# Altium PCB PCB.PcbDoc
Units mil, origin at the board's own origin, x right, y up, seen from the top; angles counter-clockwise.
Board outline 6023.62 x 4251.97 mil, 2 copper layers (Top Layer, Bottom Layer); 73 components, 40 nets, 209 pads, 129 vias.
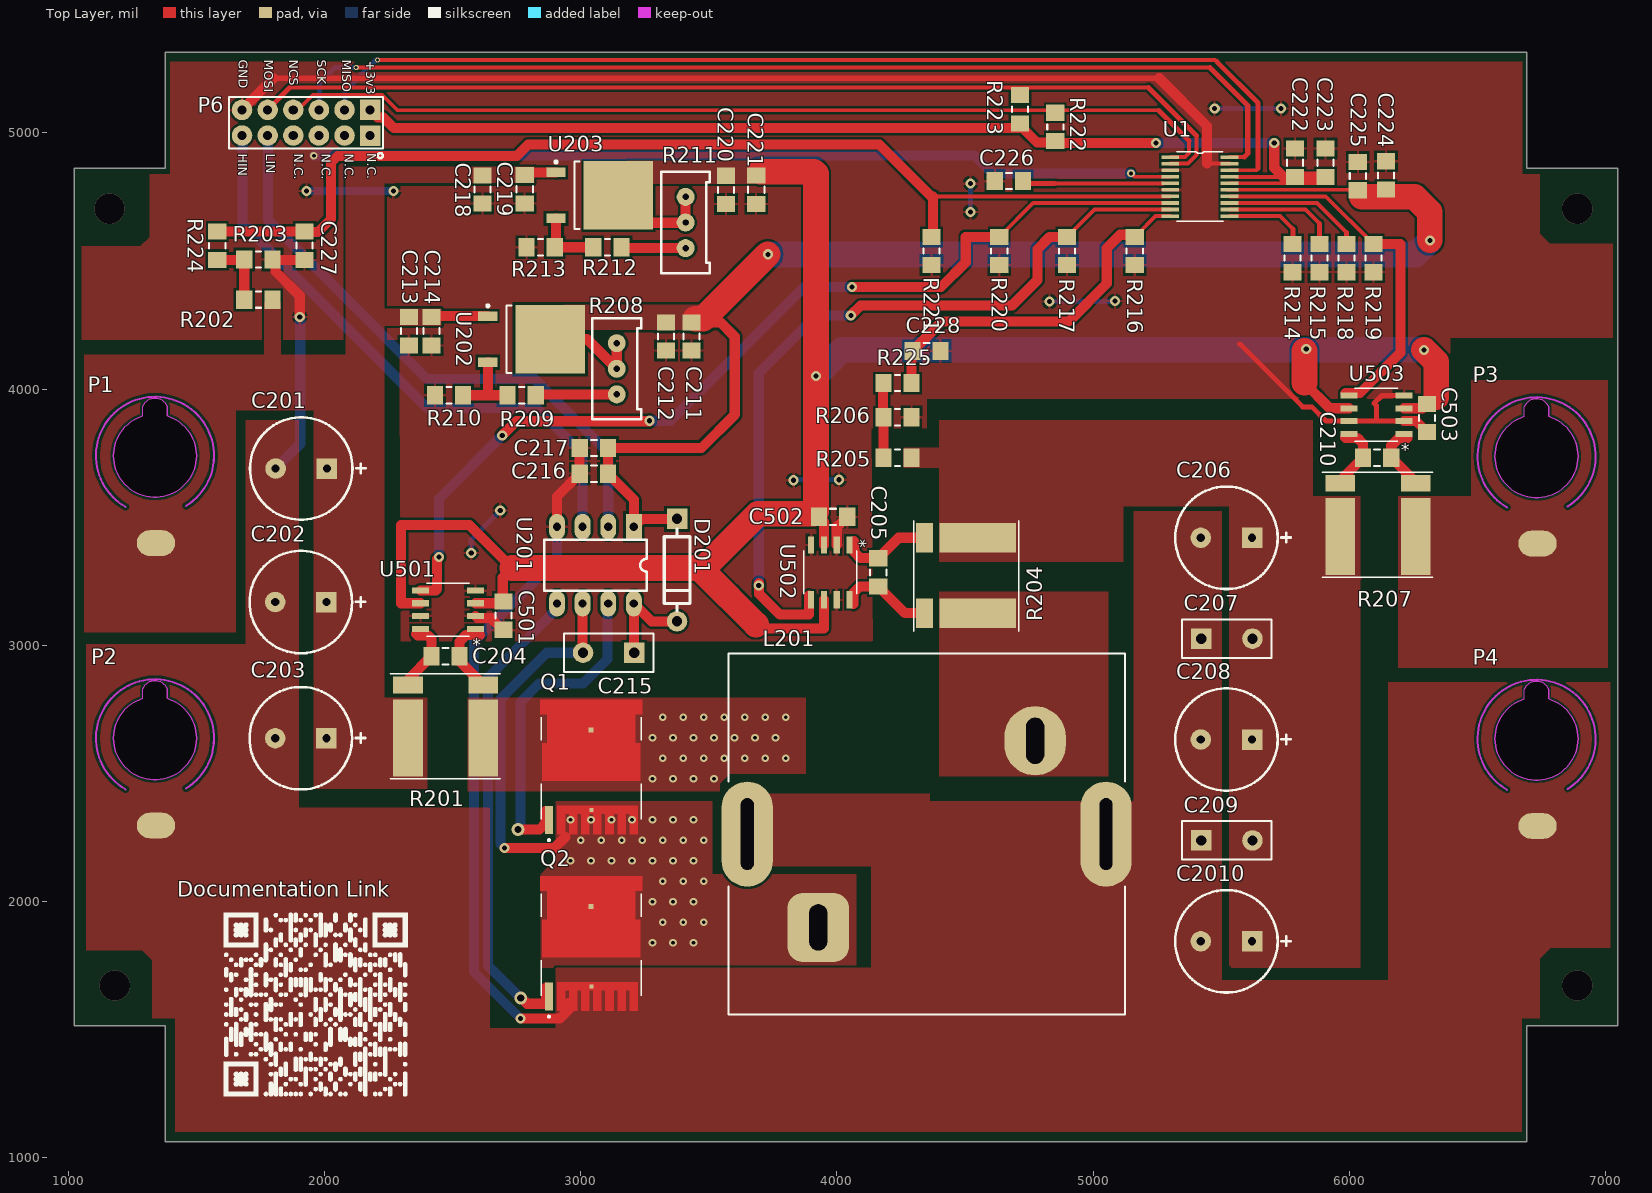
[diagram p0: Top Layer view]
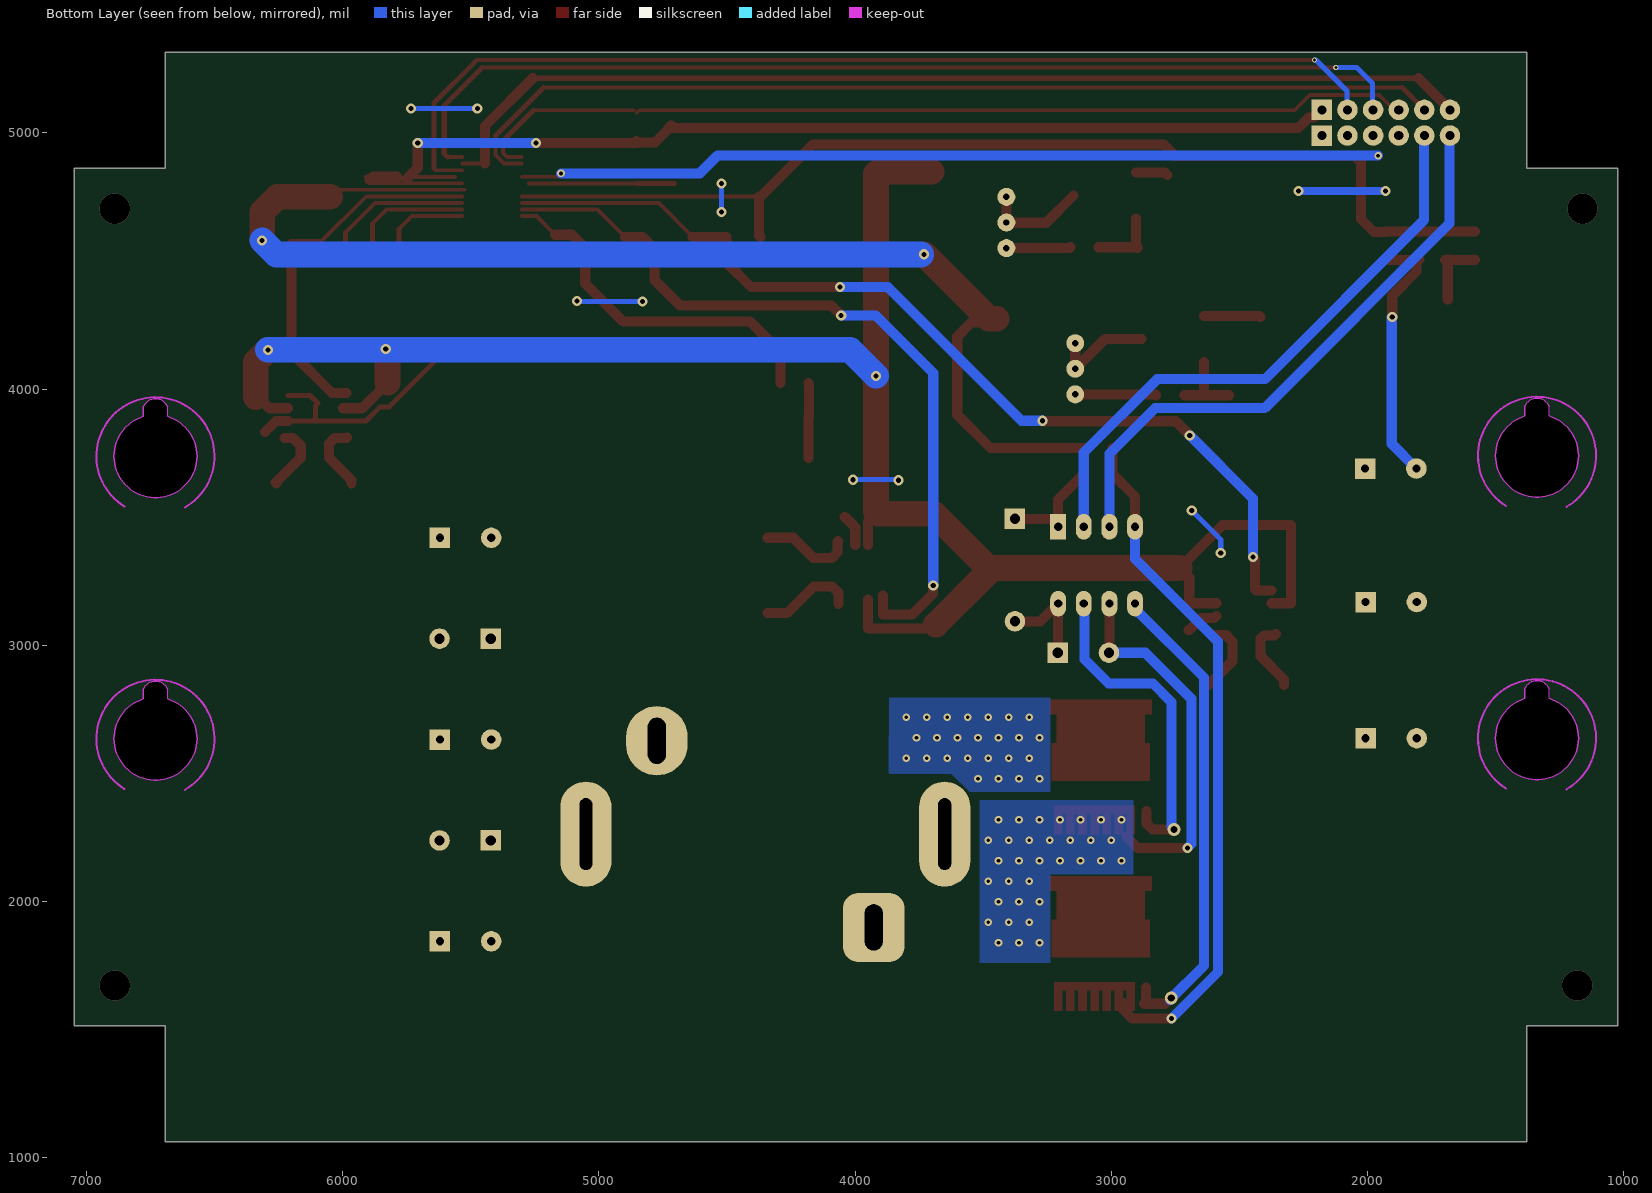
[diagram p1: Bottom Layer view, seen from below]

## Layer stack, top to bottom
Top Solder: solder mask 0.4, Solder Resist, Dk 3.5
Top Layer: signal copper 1.4
Dielectric 1: dielectric 12.6, FR-4, Dk 4.8
Bottom Layer: signal copper 1.4
Bottom Solder: solder mask 0.4, Solder Resist, Dk 3.5

## Board outline
1377.95,1062.99 6692.91,1062.99 6692.91,1515.75 7047.24,1515.75 7047.24,4862.2 6692.91,4862.2 6692.91,5314.96 1377.95,5314.96 1377.95,4862.2 1023.62,4862.2 1023.62,1515.75 1377.95,1515.75

## Design rules (kind name [scope] priority, off if disabled: settings)
Clearance [All] p1: gap=10 ignorepadtopadclearanceinfootprint=FALSE except(0: Arc-Hole Track-Hole SMDPad-Hole THPad-Hole Via-Hole Fill-Hole Poly-Hole Region-Hole Text-Hole)
Height [All] p1: minheight=0 maxheight=1574.8 prefheight=500
PolygonConnect PolygonConnect_19 [All vs IsNamedPolygon('L_IN_L02_P031')] p1: connectstyle=Direct reliefconductorwidth=10 reliefentries=4 polygonreliefangle="90 Angle" airgapwidth=10
PolygonConnect PolygonConnect_18 [All vs IsNamedPolygon('NETQ1_3_L02_P027')] p2: connectstyle=Direct reliefconductorwidth=10 reliefentries=4 polygonreliefangle="90 Angle" airgapwidth=10
PolygonConnect PolygonConnect_17 [All vs IsNamedPolygon('NETC206_1_L01_P023')] p3: connectstyle=Direct reliefconductorwidth=10 reliefentries=4 polygonreliefangle="90 Angle" airgapwidth=10
PolygonConnect PolygonConnect_16 [All vs IsNamedPolygon('+10_L01_P022')] p4: connectstyle=Direct reliefconductorwidth=10 reliefentries=4 polygonreliefangle="90 Angle" airgapwidth=10
PolygonConnect PolygonConnect_15 [All vs IsNamedPolygon('VIN_L01_P021')] p5: connectstyle=Direct reliefconductorwidth=10 reliefentries=4 polygonreliefangle="90 Angle" airgapwidth=10
PolygonConnect PolygonConnect_14 [All vs IsNamedPolygon('+12_L01_P019')] p6: connectstyle=Direct reliefconductorwidth=10 reliefentries=4 polygonreliefangle="90 Angle" airgapwidth=10
PolygonConnect PolygonConnect_13 [All vs IsNamedPolygon('VIN_L01_P018')] p7: connectstyle=Direct reliefconductorwidth=10 reliefentries=4 polygonreliefangle="90 Angle" airgapwidth=10
PolygonConnect PolygonConnect_12 [All vs IsNamedPolygon('VIN_L01_P017')] p8: connectstyle=Direct reliefconductorwidth=10 reliefentries=4 polygonreliefangle="90 Angle" airgapwidth=10
PolygonConnect PolygonConnect_11 [All vs IsNamedPolygon('VOUT_L01_P016')] p9: connectstyle=Direct reliefconductorwidth=10 reliefentries=4 polygonreliefangle="90 Angle" airgapwidth=10
PolygonConnect PolygonConnect_10 [All vs IsNamedPolygon('NETC206_1_L01_P015')] p10: connectstyle=Direct reliefconductorwidth=10 reliefentries=4 polygonreliefangle="90 Angle" airgapwidth=10
PolygonConnect PolygonConnect_9 [All vs IsNamedPolygon('L_OUT_L01_P014')] p11: connectstyle=Direct reliefconductorwidth=10 reliefentries=4 polygonreliefangle="90 Angle" airgapwidth=10
PolygonConnect PolygonConnect_8 [All vs IsNamedPolygon('L_IN_L01_P010')] p12: connectstyle=Direct reliefconductorwidth=10 reliefentries=4 polygonreliefangle="90 Angle" airgapwidth=10
PolygonConnect PolygonConnect_7 [All vs IsNamedPolygon('L_OUT_L01_P013')] p13: connectstyle=Direct reliefconductorwidth=10 reliefentries=4 polygonreliefangle="90 Angle" airgapwidth=10
PolygonConnect PolygonConnect_6 [All vs IsNamedPolygon('GND_L01_P011')] p14: connectstyle=Direct reliefconductorwidth=10 reliefentries=4 polygonreliefangle="90 Angle" airgapwidth=10
PolygonConnect PolygonConnect_5 [All vs IsNamedPolygon('S1S_L01_P010')] p15: connectstyle=Direct reliefconductorwidth=10 reliefentries=4 polygonreliefangle="90 Angle" airgapwidth=10
PolygonConnect PolygonConnect_4 [All vs IsNamedPolygon('S1S_L01_P006')] p16: connectstyle=Direct reliefconductorwidth=10 reliefentries=4 polygonreliefangle="90 Angle" airgapwidth=10
PolygonConnect PolygonConnect_3 [All vs IsNamedPolygon('NETQ1_3_L01_P004')] p17: connectstyle=Direct reliefconductorwidth=10 reliefentries=4 polygonreliefangle="90 Angle" airgapwidth=10
PolygonConnect PolygonConnect_2 [All vs IsNamedPolygon('VIN_L01_P003')] p18: connectstyle=Direct reliefconductorwidth=10 reliefentries=4 polygonreliefangle="90 Angle" airgapwidth=10
PolygonConnect PolygonConnect_1 [All vs IsNamedPolygon('GND_L01_P000')] p19: connectstyle=Direct reliefconductorwidth=10 reliefentries=4 polygonreliefangle="90 Angle" airgapwidth=10
PolygonConnect [All] p20: connectstyle=Relief reliefconductorwidth=10 reliefentries=4 polygonreliefangle="90 Angle" airgapwidth=10
RoutingVias [All] p1: holewidth=28 width=50 viastyle="Through Hole" minholewidth=28 minwidth=50 maxholewidth=28 maxwidth=50
SolderMaskExpansion [All] p1: expansion=4 istentingtop=FALSE
SupplyNets "Schematic Supply Nets_4" [InNet('+3v3')] p1: voltage=0.000
SupplyNets "Schematic Supply Nets_3" [InNet('+10')] p2: voltage=0.000
SupplyNets "Schematic Supply Nets_2" [InNet('Vin')] p3: voltage=0.000
SupplyNets "Schematic Supply Nets_1" [InNet('GND')] p4: voltage=0.000
SupplyNets "Schematic Supply Nets" [InNet('+12')] p5: voltage=0.000
Width [All] p1: maxlimit=100 minlimit=10 preferedwidth=39.37 minimp=50.000000 maximp=50.000000 favimp=50.000000
29 further rules are at their usual default settings.

## Classes and differential pairs
component class U01: C501 C502 C503 U501 U502 U503
component class Main: C201 C202 C203 C204 C205 C206 C207 C208 C209 C210 C211 C212 C213 C214 C215 C216 C217 C218 C219 C220 C221 C222 C223 C224 C225 C226 C227 C228 C2010 D201 L201 P1 P2 P3 P4 P6 Q1 Q2 R201 R202 R203 R204 R205 R206 R207 R208 R209 R210 R211 R212 R213 R214 R215 R216 R217 R218 R219 R220 R221 R222 R223 R224 R225 U1 U201 U202 U203

## Components (designator, comment, footprint, x,y, rotation, side; value= is the part's Value field where it differs from the comment)
C201 "470u" CAPP200-400_AUT 2009.37,3690.47 r0 top
C202 "470u" CAPP200-400_AUT 2007.87,3169.29 r0 top
C203 "470u" CAPP200-400_AUT 2007.87,2637.8 r0 top
C204 "100n" CAP_1206 2417.32,2957.68 r0 top
C205 "100n" CAP_1206 4161.42,3230.31 r90 top
C206 "470u" CAPP200-400_AUT 5620.08,3420.18 r0 top
C207 "1u" RAD-0.2_AUT 5521.65,3026.48 r0 top
C208 "470u" CAPP200-400_AUT 5620.08,2632.78 r0 top
C209 "1u" RAD-0.2_AUT 5521.65,2239.08 r0 top
C210 "100n" CAP_1206 6053.15,3732.28 r0 top
C211 "10u" CAP_1206 3433.07,4150.59 r90 top
C212 "100n" CAP_1206 3332.68,4150.59 r90 top
C213 "100n" CAP_1206 2329.72,4171.26 r90 top
C214 "10u" CAP_1206 2418.31,4171.26 r90 top
C215 "100n" RAD-0.2_AUT 3109.25,2971.46 r180 top
C216 "10u" CAP_1206 2996.06,3670.28 r0 top
C217 "100n" CAP_1206 2996.06,3770.67 r0 top
C218 "10u" CAP_1206 2616.14,4724.41 r90 top
C219 "100n" CAP_1206 2781.5,4725.39 r90 top
C220 "10u" CAP_1206 3567.4,4722.9 r90 top
C221 "100n" CAP_1206 3685.04,4723.43 r90 top
C222 "10u" CAP_1206 5788.39,4938.98 r270 top
C223 "100n" CAP_1206 5906.5,4938.98 r270 top
C224 "10u" CAP_1206 6142.72,4889.76 r270 top
C225 "100n" CAP_1206 6032.89,4886.75 r270 top
C226 "680n" CAP_1206 4616.14,4812.99 r0 top
C227 "1u" CAP_1206 1922.24,4504.92 r90 top
C228 "1u" CAP_1206 4404.53,4148.62 r180 top
C501 "100n" CAP_1206 2698.82,3061.02 r90 top
C502 "100n" CAP_1206 4040.35,3501.97 r180 top
C503 "100n" CAP_1206 6303.15,3832.68 r90 top
C2010 "470u" CAPP200-400_AUT 5620.08,1845.38 r0 top
D201 "1N4007" DIODE0.4_AUT 3375.98,3494.09 r270 top
L201 "470u" AGP4233_Hi 5152.17,1544.61 r90 top
P1 "Vin" Banana_AUT 1338.58,3740.16 r90 top
P2 "GND" Banana_AUT 1338.58,2637.8 r90 top
P3 "Vout" Banana_AUT 6730.31,3738.19 r90 top
P4 "GND" Banana_AUT 6730.31,2635.83 r90 top
P6 "HDR2X6V" HDR2X6V 2178.35,4990.16 r180 top
Q1 "N-CHANNEL MOSFET,TOLL-8L" TOLL-8L 3031.5,2470.47 r90 top
Q2 "N-CHANNEL MOSFET,TOLL-8L" TOLL-8L 3031.5,1781.5 r90 top
R201 "10m" WSL3673R_002-01 2250.98,2474.41 r0 top
R202 "10K" RES_1206 1797.24,4349.41 r180 top
R203 "1K" RES_1206 1687.01,4505.91 r0 top
R204 "10m" WSL3673R_002-01 4714.57,3051.18 r90 top
R205 "10K" RES_1206 4291.34,3732.28 r180 top
R206 "1K" RES_1206 4291.34,3890.75 r180 top
R207 "10m" WSL3673R_002-01 5889.76,3260.83 r0 top
R208 "500R" 3296W 3140.75,4079.72 r270 top
R209 "1K8" RES_1206 2824.8,3976.38 r180 top
R210 "18K2" RES_1206 2431.1,3976.38 r0 top
R211 "500R" 3296W 3409.45,4650.59 r270 top
R212 "2K2" RES_1206 3159.45,4554.13 r180 top
R213 "18K2" RES_1206 2788.39,4554.13 r0 top
R214 "1K" RES_1206 5778.54,4456.69 r90 top
R215 "1K" RES_1206 5883.53,4456.69 r90 top
R216 "1K" RES_1206 5162.4,4484.25 r90 top
R217 "1K" RES_1206 4897.97,4484.25 r90 top
R218 "1K" RES_1206 5988.52,4456.69 r90 top
R219 "1K" RES_1206 6093.5,4456.69 r90 top
R220 "1K" RES_1206 4633.53,4484.25 r90 top
R221 "1K" RES_1206 4369.09,4484.25 r90 top
R222 "12K" RES_1206 4852.36,5078.74 r270 top
R223 "1K" RES_1206 4714.57,5147.64 r270 top
R224 "100R" RES_1206 1581.69,4504.92 r90 top
R225 "100R" RES_1206 4181.1,4023.62 r0 top
U1 "AD7328BRUZ" TSSOP20_44 5256.89,4633.86 r0 top
U201 "IR2101-ND" DIP8-AUT 3287.4,3543.31 r180 top
U202 "LR12K4-G" "D PAK (TO-252-3)" 2578.74,4350.39 r270 top
U203 "LR12K4-G" "D PAK (TO-252-3)" 2844.49,4911.42 r270 top
U501 "INA241A3IDR" 8SOIC-M 2482.28,3139.76 r180 top
U502 "INA241A3IDR" 8SOIC-M 3974.41,3285.43 r270 top
U503 "INA241A3IDR" 8SOIC-M 6105.31,3900.59 r180 top

## Footprints (in the part's own frame and the unit in brackets; to place one, negate y for a bottom-side part, rotate by r counter-clockwise, add the part's x,y. Pads: shape width x height; smd on the part's side, far side on the other; paste and mask are expansions set on the pad)
8SOIC-M [mm] "Pin size = 1.7 * 0.6 (mm) / Pitch size = 1.27 (mm) / body size = 5 * 4 (mm)"
  rect 1.7x0.6 smd paste+0 mask+0: 1(-2.724,1.905) 2(-2.724,0.635) 3(-2.724,-0.635) 4(-2.724,-1.905) 5(2.724,-1.905) 6(2.724,-0.635) 7(2.724,0.635) 8(2.724,1.905)
  silkscreen extent -2.12,-2.63 2.12,2.63, body extent -3.1,-2.5 3.1,2.5, height 1.76
3296W [mil] "3296 - 3/8 ” Square Trimpot, Trimming Potentiometer"
  round 70 hole 25: 1(100,0) 2(-100,0) W(0,0)
  silkscreen extent -197,-95 197,95, body extent -189,-96 186,94, height 458
AGP4233_Hi [mil] "Power Inductor"
  rrect50% 270x240 hole 70 slot 180 at 0 deg: 1(355,1225)
  oval 270x240 hole 70 slot 180 at 0 deg: 2(1083.35,378.54)
  oval 410x200 hole 50 slot 280 at 0 deg: Tab1(719.17,1501.77) Tab2(719.17,101.77)
  silkscreen extent 14,28 1424,1575
Banana_AUT [mm] "Power (11mm Diameter, 15.5mm Length)"
  oval 2.54x3.81 smd: 1(-8.65,-0.1)
  Keep-Out Layer board cut-out: 3.945,-1.205 2.834,-2.995 0.983,-4.002 -1.124,-3.962 -2.935,-2.885 -3.978,-1.054 -3.978,1.054 -2.935,2.885 -1.124,3.962 0.983,4.002 2.834,2.995 3.945,1.205 3.945,1.205 4.902,1.205 4.902,1.205 5.399,0.849 5.679,0.306 5.679,-0.306 5.399,-0.849 4.902,-1.205 4.902,-1.205 4.902,-1.205
  Keep-Out Layer lines w0.025: 3.945,1.205 ccw(c0.005,0) 3.945,-1.205 4.902,-1.205 ccw(c4.416,0) 4.902,1.205 3.945,1.205
  Keep-Out Layer lines w0.2: -5.062,2.923 cw(c0.005,0) -4.969,-3.079
  body extent -5.17,-4.7 5.62,4.8, height 4.57
CAP_1206 [mm] "Body 3.2 x 1.6 mm (LxW typ)"
  rect 1.6x1.8 smd: 1(0,0) 2(2.8,0)
  silkscreen extent 1.1,-0.8 1.7,0.8, body extent -0.15,-0.81 3.05,0.79, height 1.6
CAPP200-400_AUT [mil] "Capacitor, Electrolytic, Radial, Snap-In Pins; Pin Spacing 200 mil; Body 400mil (Dia)"
  rect 80x80 hole 32: 1(0,0)
  round 80 hole 32: 2(-200,0)
  silkscreen extent -300,-200 151,200, body extent -297,-197 97,196, height 492
"D PAK (TO-252-3)" [mm] "D-PAK,  Body 6.1x6.5mm, Pitch 2.28mm, Lead Span 9.7mm"
  rect 0.95x1.9 smd: 1(1.657,1.492) 3(6.217,1.492)
  rect 6.8x6.9 smd: 2(3.937,7.692)
  silkscreen extent 0.51,1.37 7.29,3.84, body extent 0.64,0.98 7.18,10.92, height 2.34
DIODE0.4_AUT [mil] "Diode, Axial; Body 5.2 x 2.7 mm (LxDia. max), Pin Distance, 400mil"
  rect 80x80 hole 40: A(0,0)
  round 80 hole 40: K(400,0)
  silkscreen extent 40,-50 360,50, body extent -18,-54 416,53, height 107
DIP8-AUT [mil] "DIP; 8 Leads; Row Spacing 7.62 mm; Pitch 2.54 mm; For AUT Manufacture"
  rect 62x100 hole 32: 1(80,80)
  oval 62x100 hole 32: 2(180,80) 3(280,80) 4(380,80) 5(380,380) 6(280,380) 7(180,380) 8(80,380)
  silkscreen extent 30,130 430,330, body extent 10,80 440,390, height 200
HDR2X6V [mil] "Header, 12-Pin, Dual row, 2.54mm Pitch, Straight"
  rect 80x80 hole 35.43: 1(0,0) 12(0,-100)
  round 80 hole 35.43: 2(100,0) 3(200,0) 4(300,0) 5(400,0) 6(500,0) 7(500,-100) 8(400,-100) 9(300,-100) 10(200,-100) 11(100,-100)
  silkscreen extent -50,-150 550,89, body extent -50,-150 550,50, height 398
RAD-0.2_AUT [mil] "Indicating Instrument; 2 Leads; Distance 200mil"
  rect 80x80 hole 40: 1(-100,0)
  round 80 hole 40: 2(100,0)
  silkscreen extent -175,-75 175,75, body extent -175,-75 175,75, height 310
RES_1206 [mm] "Body 3.2 x 1.6 mm (LxW typ)"
  rect 1.6x1.8 smd: 1(0,0) 2(2.8,0)
  silkscreen extent 1.14,-0.8 1.65,0.8, body extent -0.21,-0.8 2.96,0.75, height 0.6
TOLL-8L [mm]
  rect 2.8x0.8 smd paste-2: 1(-3.853,3.946)
  rect 0.4x0.4 smd paste-1 mask+0: 2(-2.853,-0.254)
  rect 0.5x0.5 smd paste-1 mask+0: 3(5.062,-0.204)
  Top Layer region: -2.453,-4.854 -5.253,-4.854 -5.253,-4.054 -3.253,-4.054 -3.253,-3.654 -5.253,-3.654 -5.253,-2.854 -3.253,-2.854 -3.253,-2.454 -5.253,-2.454 -5.253,-1.654 -3.253,-1.654 -3.253,-1.254 -5.253,-1.254 -5.253,-0.454 -3.253,-0.454 -3.253,-0.054 -5.253,-0.054 -5.253,0.746 -3.253,0.746 -3.253,1.146 -5.253,1.146 -5.253,1.946 -3.253,1.946 -3.253,2.346 -5.253,2.346 -5.253,3.146 -2.453,3.146
  Top Layer region: 8.047,-5.304 6.647,-5.304 6.647,-4.604 3.747,-4.604 3.747,-5.104 0.047,-5.104 0.047,4.596 3.747,4.596 3.747,4.096 6.647,4.096 6.647,4.796 8.047,4.796
  silkscreen extent -5.95,-5.2 6.33,4.7, body extent -4.44,-5.2 7.23,4.7, height 2.4
TSSOP20_44 [mil] "TSSOP20 4.4mm SMD DIL"
  round 30 on Top Overlay mask+2.01: 1(19,307)
  rect 70x14 smd paste+0 mask+0: 1(44,272.16) 2(44,246.57) 3(44,220.98) 4(44,195.39) 5(44,169.8) 6(44,144.2) 7(44,118.61) 8(44,93.02) 9(44,67.43) 10(44,41.84) 11(276,41.84) 12(276,67.43) 13(276,93.02) 14(276,118.61) 15(276,144.2) 16(276,169.8) 17(276,195.39) 18(276,220.98) 19(276,246.57) 20(276,272.16)
  silkscreen extent 70,22 250,293, body extent 34,27 286,287, height 47
WSL3673R_002-01 [mil] "Kelvin 4W current Shunt"
  rect 116x300 smd mask+2.01: 1(75,165) 4(369,165)
  rect 116x66 smd mask+2.01: 2(75,372) 3(369,372)
  silkscreen extent 5,5 435,415

## Part data
C201 C202 C203 C206 C208 C2010: library part CAPP200-400, "Polarized Aluminum Capacitor, Through Hole, Pitch 200mil, Body 400mil (Dia)"
C204 C205 C210 C211 C212 C213 C214 C216 C217 C218 C219 C220 C221 C222 C223 C224 C225 C226 C227 C228 C501 C502 C503: library part "CAPN 1206", "Non Polarized Capacitor, SMD, 1206"
C207 C209 C215: library part "CAPN RAD0.2", "Non Polarized Capacitor, Multilayer Ceramic Dipped Radial, Pitch 200mil"
D201: "Diode, Standard, 1A, 1000v", Supplier Part Number 1=9549129, Supplier 1=Farnell
L201: library part AGP4233Hi, "Power Inductor  / Through hole"
P1 P2 P3 P4: library part "Banana Socket", "Banana Socket, 4mm, Panel, Black, 10A", Supplier Part Number 1=1101113, Supplier 1=Farnell
P6: "Header, 12-Pin, Dual row, 2.54mm Pitch, Straight"
Q1 Q2: library part MCTL80N20Y-TP, "N-Channel 200 V 80A (Tc) 250W (Tj) Surface Mount TOLL-8L"
R201 R204 R207: library part WSL3673R-01, "Current Shunt  / Kelvin 4W 0.002- 0.01"
R202 R203 R205 R206 R209 R210 R212 R213 R214 R215 R216 R217 R218 R219 R220 R221 R222 R223 R224 R225: library part "Resistor 1206", "Resistor, SMD, 1206"
R208 R211: library part 3296W-1-104LF, "3296W Series, 3/8 ” Square Potentiometer, 100k, 10%,  0.5 Watts, Multi Turn /  / Part #: PV36W501C01B00", Supplier Part Number 1=9353194, Supplier 1=Farnell
U1: "ADC 12 Bit / Package TSSOP20"
U201: "Half-Bridge Gate Driver IC Non-Inverting 8-PDIP"
U202 U203: "Adj Positive Regulator  / Linear. 12V dropout V.  / 2W"
U501 U502 U503: "Current Sense Amplifier 1 Circuit Single-Ended 8-SOIC"

## Via types
v1: diameter 30, hole 15, Top Layer to Bottom Layer, 93 vias
v2: diameter 39.37, hole 19.68, Top Layer to Bottom Layer, 28 vias
v3: diameter 118.11, hole 118.11, Top Layer to Bottom Layer, 4 vias
v4: diameter 19.68, hole 11.81, Top Layer to Bottom Layer, 2 vias
v5: diameter 50, hole 28, Top Layer to Bottom Layer, 2 vias

## Nets (pads, with @x,y where several pads share a name; then routed paths per layer and width w, separated by ;. In a path a pad name is that pad's centre, name@x,y a point inside that pad or via, vN(x,y) a via of type N, cw(c..) or ccw(c..) an arc to the next point about the centre after c; other vN are vias at no path point)
+3v3: C222.2 C223.2 P6.12 R222.2 R223.2 U1.16 U1.17 | length 4473.9
  Top Layer w15: U1.16 C223.2@5881.41,4803.65 ; U1.17@5560.39,4828.74 5742.12,4828.74
  Top Layer w19.68: 5748.03,4822.83 5782.48,4822.83 C222.2 C222.2@5787.88,4829.24 ; C223.2@5881.41,4828.74 C223.2 C223.2@5893.95,4816.2
  Top Layer w39.37: P6.12 2208.66,5059.84 2230.64,5059.84 2270.8,5019.69 R223.2@4714.57,5019.69 ; R223.2@4714.57,5029.53 4718.5,5029.53 4730.31,5017.72 4730.31,5013.78 4780.94,4963.16 4847.02,4963.16 R222.2 ; R222.2@4852.36,4960.63 4911.42,4960.63 v2(5246.06,4960.63) ; v2(5706.69,4961.61) 5706.69,4864.17 5748.03,4822.83 ; C222.2@5787.88,4829.24 5880.91,4829.24 5881.41,4828.74 C223.2@5893.95,4816.2
  Bottom Layer w39.37: v2(5246.06,4960.63) 5247.05,4961.61 v2(5706.69,4961.61)
+10: C220.2 C221.2 C501.2 C502.2 C503.2 R211.2 R211.W U203.2 U501.3 U501.6 U502.3 U502.6 U503.3 U503.6 | length 8276.2
  Top Layer w39.37: U501.6 2299.21,3164.76 2299.21,3470.47 2564.96,3470.47 2733.27,3302.17 2695.78,3264.68 C501.2@2695.78,3174.3 ; U501.3 2692.32,3164.76 C501.2 ; U203.2 3254.13,4649.61 3416.34,4649.61 3415.35,4650.59 R211.W R211.2 ; 3684.06,3081.69 3699.21,3066.54 3949.41,3066.54 U502.6 ; C502.2@3909.45,3513.78 3921.26,3501.97 C502.2 3949.41,3482.68 U502.3 ; 5824.8,4024.61 5923.82,3925.59 U503.6 ; U503.3 6285.83,3925.59 C503.2
  Top Layer w100: 2733.27,3302.17 3480.32,3302.17 ; 3684.06,3081.69 3480.32,3285.43 3480.32,3302.17 ; C221.2@3700.79,4849.41 3909.45,4849.41 3918.31,4840.55 v2(3918.31,4052.17) 3918.31,3522.64 3909.45,3513.78 3691.93,3513.78 3480.32,3302.17 ; 5824.8,4024.61 v2@5824.8,4149.61 ; v2(6291.34,4153.54) 6338.58,4106.3 6338.58,3969.49
  Bottom Layer w39.37: R211.W R211.W@3409.45,4663.39
  Bottom Layer w100: v2(3918.31,4052.17) 4019.68,4153.54 v2(6291.34,4153.54)
  other v2: 5831.69,4156.5
+12: C211.2 C212.2 C216.2 C217.2 C224.2 C225.2 D201.A R208.2 R208.W U1.15 U201.1 U202.2 | length 5984.8
  Top Layer w14: U1.15@5523.62,4778.54 C224.2@6141.73,4778.54
  Top Layer w19.68: C224.2@6141.73,4778.54 C224.2
  Top Layer w39.37: U202.2 3025.08,4195.39 R208.W R208.2 ; D201.A 3238.19,3494.09 U201.1 3207.4,3569.17 C216.2 C217.2 3471.46,3770.67 3601.38,3900.59 3601.38,4204.72 3545.28,4260.83 C211.2
  Top Layer w100: C211.2@3446.85,4274.61 3478.35,4274.61 v2(3730.32,4526.57) ; C225.2@6049.21,4750.98 6254.42,4750.98 6313.98,4691.43 v2(6313.98,4580.71)
  Bottom Layer w100: v2@3741.71,4525.59 6258.86,4525.59 v2(6313.98,4580.71)
GND: C201.2 C202.2 C203.2 C206.2 C207.1 C208.2 C209.1 C211.1 C212.1 C213.1 C214.1 C216.1 C217.1 C218.1 C219.1 C220.1 C221.1 C222.1 C223.1 C224.1 C225.1 C226.1 C227.1 C228.1 C501.1 C502.1 C503.1 C2010.2 L201.Tab1 L201.Tab2 P2.1 P4.1 P6.7 Q2.2 R203.2 R206.1 R210.1 R213.1 R214.1 R215.1 R216.1 R217.1 R218.1 R219.1 R220.1 R221.1 U1.3 U1.4 U1.6 U1.19 U201.4 U501.2 U501.4 U501.7 U502.2 U502.4 U502.7 U503.2 U503.4 U503.7 | length 13912.3
  Top Layer w15: v1(5147.64,4842.52) 5160.91,4829.24 U1.4 ; 5444.4,4880.43 U1.19
  Top Layer w19.68: 1801.38,5213.58 5257.87,5213.58 ; 5571.86,4177.16 5818.01,3931.01 5853.44,3931.01 5908.86,3875.59 U503.7 6105.31,3875.59 ; U503.2 6105.31,3875.59 ; U503.4 6127.17,3975.59 6096.46,3944.88 6105.31,3936.02 6105.31,3875.59
  Top Layer w39.37: P6.7@1680.31,5092.52 1801.38,5213.58 ; R203.2 1799.21,4505.91 R203.2@1800.2,4504.92 ; v2(1903.54,4282.48) 1903.54,4365.16 1809.06,4459.65 1809.06,4504.92 C227.1 ; U501.2 2597.41,3106.89 2649.02,3106.89 2694.88,3061.02 C501.1 ; v2(2764.76,1544.29) 2919.22,1544.29 2952.76,1577.82 2952.76,1604.33 ; U201.4 2907.4,3581.61 C216.1 C217.1 ; U502.2 3999.41,3461.02 C502.1 ; 5257.87,5213.58 5444.4,5027.06 5444.4,4880.43 ; U503.2 6260.24,3875.59 C503.1
  Bottom Layer w19.68: v2@2259.74,4778.24 2264.36,4773.62 v2(2269.68,4773.62) ; v2(2572.83,3361.22) 2572.83,3413.39 v2(2686.02,3526.57) ; v2(3830.71,3644.68) 3833.66,3647.64 4007.87,3647.64 v2(4008.86,3646.65) ; v2(4521.65,4691.93) v2(4521.65,4803.15) ; v2(4829.72,4342.52) 5083.66,4342.52 v2(5084.65,4343.5) ; v2(5474.41,5095.47) v2(5733.27,5095.47)
  Bottom Layer w30: v2(1929.13,4773.62) v2@2264.36,4773.62
  Bottom Layer w39.37: C201.2 1905.51,3786.61 1905.51,4280.51 v2(1903.54,4282.48) ; v1(1958.66,4911.42) 4537.4,4911.42 4606.3,4842.52 v1(5147.64,4842.52) ; v2(2764.76,1544.29) 2583.66,1725.39 2583.66,2298.23 2583.66,3014.76 2907.4,3338.5 U201.4
HIN: P6.5 U201.2 | length 2322.7
  Bottom Layer w39.37: P6.5@1780.31,4990.16 1780.31,4659.65 2400.59,4039.37 2820.87,4039.37 3107.4,3752.83 U201.2
IS+1: C204.1 R201.2 U501.8 | length 284.4
  Top Layer w39.37: R201.2 2325.98,2866.34 C204.1 2417.32,3026.57 2404.53,3039.37 2363.19,3039.37 2358.27,3044.29
IS+2: C205.1 R204.2 U502.8 | length 374.2
  Top Layer w39.37: 4064.96,3162.4 4064.96,3205.71 4089.57,3230.31 C205.1 4265.55,3126.18 R204.2
IS+3: C210.1 R207.2 U503.8 | length 271.3
  Top Layer w39.37: R207.2 5964.76,3643.9 C210.1 6053.15,3787.4 6030.51,3810.04 5985.24,3810.04 5983.27,3812.01
IS-1: C204.2 R201.3 U501.1 | length 297.9
  Top Layer w39.37: 2607.28,3041.34 2553.15,3041.34 2527.56,3015.75 C204.2 2527.56,2938.83 R201.3
IS-2: C205.2 R204.3 U502.1 | length 360.6
  Top Layer w39.37: 4065.94,3406.5 4068.9,3403.54 4068.9,3363.19 4091.54,3340.55 C205.2 4241.05,3420.18 R204.3
IS-3: C210.2 R207.3 U503.1 | length 264.7
  Top Layer w39.37: 6227.36,3809.06 6192.91,3809.06 6163.39,3779.53 C210.2 6164.37,3732.28 6260.83,3635.83 6258.76,3633.76 R207.3
L_in: C215.2 L201.1 Q1.2 Q2.3 U201.6 | length 1440.7
  Top Layer w39.37: v2(2702.26,2210.14) 2898.13,2210.14 2939.96,2251.97 ; U201.6 3007.4,2965.43 C215.2@3010.24,2962.6
  Bottom Layer w39.37: v2(2702.26,2210.14) 2687.73,2224.67 2687.73,2792.06 2867.13,2971.46 C215.2
  other v1: 3280,1840 3280,1840 3360,1840 3360,1840 3440,1840 3440,1840 3320,1920 3320,1920 3400,1920 3400,1920 3480,1920 3480,1920 3280,2000 3280,2000 3360,2000 3360,2000 3440,2000 3440,2000 3320,2080 3320,2080 3400,2080 3400,2080 3480,2080 3480,2080 2960,2160 2960,2160 3040,2160 3040,2160 3120,2160 3120,2160 3200,2160 3200,2160 3280,2160 3280,2160 3360,2160 3360,2160 3440,2160 3440,2160 3000,2240 3000,2240 3080,2240 3080,2240 3160,2240 3160,2240 3240,2240 3240,2240 3320,2240 3320,2240 3400,2240 3400,2240 3480,2240 3480,2240 2960,2320 2960,2320 3040,2320 3040,2320 3120,2320 3120,2320 3200,2320 3200,2320 3280,2320 3280,2320 3360,2320 3360,2320 3440,2320 3440,2320
L_out: L201.2 R204.1
LIN: P6.6 U201.3 | length 2329.7
  Bottom Layer w39.37: P6.6@1680.31,4992.52 1680.31,4647.44 2401.57,3926.18 2829.72,3926.18 3007.4,3748.5 U201.3
NetC206_1: C206.1 C207.2 C208.1 C209.2 C2010.1 R204.4 R205.1 R207.1
NetC215_1: C215.1 D201.K U201.8 | length 399.1
  Top Layer w39.37: C215.1@3210.24,2962.6 3207.4,2965.43 U201.8 3276.61,3094.09 D201.K
NetC226_2: C226.2 U1.5 | length 568.7
  Top Layer w15: 4849.41,4803.15 5268.29,4803.15 U1.5@5273.39,4803.15
  Top Layer w19.68: C226.2@4704.72,4803.15 4849.41,4803.15
NetQ1_3: Q1.3 R201.4
  other v1: 3280,2480 3360,2480 3440,2480 3520,2480 3320,2560 3400,2560 3480,2560 3560,2560 3640,2560 3720,2560 3800,2560 3280,2640 3360,2640 3440,2640 3520,2640 3600,2640 3680,2640 3760,2640 3320,2720 3400,2720 3480,2720 3560,2720 3640,2720 3720,2720 3800,2720
NetR202_2: R202.2 R203.1 R224.1 | length 273
  Top Layer w39.37: R224.1@1580.71,4505.91 R224.1 R203.1@1696.85,4504.92 ; R202.2 R203.1
NetR205_2: R205.2 R206.2 R225.1 | length 292.2
  Top Layer w39.37: R205.2 R206.2 4180.12,3891.73 4180.12,4018.7 4181.1,4019.69 R225.1
NetR208_1: R208.1 R209.1 | length 317.3
  Top Layer w39.37: R209.1 2828.15,3979.72 R208.1
NetR209_2: R209.2 R210.2 U202.3 | length 302.5
  Top Layer w39.37: R210.2 2637.48,3976.38 ; U202.3 2637.48,3976.38 ; R209.2 2637.48,3976.38
NetR211_1: R211.1 R212.1 | length 251.5
  Top Layer w39.37: R212.1 3162.99,4550.59 R211.1
NetR212_2: R212.2 R213.2 U203.3 | length 271.5
  Top Layer w39.37: R213.2@2898.62,4552.17 R213.2@2900.59,4554.13 ; R213.2@2903.23,4556.77 R213.2@2900.59,4554.13 ; U203.3 2903.23,4558.74 R213.2 R213.2@2900.59,4554.13 ; R212.2 R213.2@2900.59,4554.13
NetR214_2: R214.2 U1.11 | length 326.1
  Top Layer w15: U1.11 5728.83,4675.7 5779.53,4625
  Top Layer w19.68: R214.2 5779.53,4567.91 5779.53,4625
NetR215_2: R215.2 U1.12 | length 452.9
  Top Layer w15: U1.12 5828.26,4701.29 ; 5828.74,4701.77 5883.53,4646.98
  Top Layer w19.68: R215.2 5883.53,4646.98
NetR218_2: R218.2 U1.13 | length 548.8
  Top Layer w15: U1.13 5873.51,4726.88 5989.17,4611.22
  Top Layer w19.68: R218.2 5989.17,4567.59 5989.17,4611.22
S1g: Q1.1 U201.7 | length 1297.4
  Top Layer w39.37: v5(2755.91,2281.55) 2838.92,2281.55 2863.19,2305.83 Q1.1@2863.19,2354.33
  Bottom Layer w39.37: v5(2755.91,2281.55) 2755.91,2284.43 2765.75,2294.27 2765.75,2779.53 2837.6,2851.38 3009.84,2851.38 3104.33,2945.87 3104.33,3164.37 3105.39,3163.31 U201.7
S2g: Q2.1 U201.5 | length 1890
  Top Layer w39.37: v5(2765.75,1624.02) 2768.62,1624.02 2791.15,1601.49 Q2.1@2872.2,1601.49 ; Q2.1@2864.17,1604.33 Q2.1@2864.17,1665.71
  Bottom Layer w39.37: v5@2771.65,1617.13 2638.36,1750.42 2638.36,2874.58 2907.4,3143.62 U201.5
SPI2(ADC)-MISO: P6.11 U1.18 | length 4123.7
  Top Layer w15: v4(2207.68,5284.61) 5476.52,5284.61 5482.58,5278.54 ; U1.18 5637.31,4854.83 5643.7,4861.22
  Top Layer w19.68: 5482.58,5278.54 5643.7,5117.43 5643.7,4861.22
  Bottom Layer w19.68: P6.11@2080.31,5092.52 2080.31,5163.98 2200.94,5284.61 v4(2207.68,5284.61)
SPI2(ADC)-MOSI: P6.8 R223.1 U1.2 | length 3927.7
  Top Layer w15: 1864.96,5177.17 5215.55,5177.17 ; U1.2 5369.6,4880.43 5403.54,4914.37 5403.54,4989.17
  Top Layer w19.68: P6.8@1780.31,5092.52 1864.96,5177.17 ; 5215.55,5177.17 5403.54,4989.17
SPI2(ADC)-NCS: P6.9 R222.1 U1.1@5300.89,4906.02 | length 3712.2
  Top Layer w15: P6.9 1895.94,5090.16 1915.79,5110.01 1916.88,5110.01 1954.53,5147.66 2225.59,5147.66 2284.67,5088.58 4842.52,5088.58 R222.1 ; R222.1@4864.62,5088.58 5254.92,5088.58 ; U1.1@5300.89,4906.02 5357.79,4906.02 5374.02,4922.24 5374.02,4969.49
  Top Layer w19.68: 5254.92,5088.58 5374.02,4969.49
SPI2(ADC)-SCK: P6.10 U1.20 | length 4075
  Top Layer w15: v4(2124.02,5254.92) 5456.01,5254.92 ; U1.20 5590.07,4906.02
  Top Layer w19.68: 5456.01,5254.92 5603.35,5107.58 5603.35,4919.29 5590.07,4906.02
  Bottom Layer w19.68: P6.10@1980.31,5092.52 1980.31,5193.9 2041.34,5254.92 v4(2124.02,5254.92)
Vin: C201.1 C202.1 C203.1 C213.2 C214.2 C218.2 C219.2 P1.1 R201.1 R202.1 U202.1 U203.1 | length 347
  Top Layer w39.37: C214.2 2421.97,4285.16 U202.1 ; C219.2 2792.32,4846.46 2902.56,4846.46 2902.83,4846.18 U203.1
Vout: P3.1 R207.4
VS0: C227.2 R221.2 R224.2 U1.7 | length 4238.3
  Top Layer w15: 4375.48,4752.47 U1.7
  Top Layer w19.68: 4371.53,4748.52 4375.48,4752.47
  Top Layer w39.37: R224.2 C227.2 1928.15,4615.16 1930.12,4613.19 1974.41,4613.19 2025.59,4664.37 2025.59,4884.84 2051.18,4910.43 2750.98,4910.43 2795.28,4954.72 4165.33,4954.72 4371.53,4748.52 ; R221.2 4375.48,4600.87 4375.48,4752.47
VS1: R220.2 U1.8 U501.5 | length 3812.6
  Top Layer w15: R220.2 4765.92,4726.88 U1.8
  Top Layer w39.37: U501.5 2435.24,3214.76 2439.96,3219.49 2439.96,3336.61 v2(2447.83,3344.49) ; v2(2693.9,3819.88) 2749.02,3875 v2@3268.7,3875 ; v2(4059.06,4398.62) 4406.5,4398.62 4502.95,4495.08 4502.95,4594.49 R220.2
  Bottom Layer w39.37: v2(2447.83,3344.49) 2447.83,3573.82 v2(2693.9,3819.88) ; v2(3268.7,3876.97) 3350.39,3876.97 3872.05,4398.62 v2(4059.06,4398.62)
VS2: R219.2 U1.14 U503.5 | length 1446.8
  Top Layer w15: U1.14 5907.96,4752.47 R219.2
  Top Layer w39.37: U503.5@5985.24,3985.24 6041.34,3985.24 6198.82,4142.72 ; R219.2 6198.82,4566.93 6198.82,4142.72 ; 6198.82,4141.73 6198.82,4142.72
VS3: C228.2 R216.2 R225.2 U1.10 | length 1443.7
  Top Layer w15: R216.2@5170.77,4602.85 5243.61,4675.7 U1.10
  Top Layer w19.68: R216.2 R216.2@5170.77,4602.85
  Top Layer w39.37: R225.2 4291.34,4145.67 C228.2 4409.45,4263.78 4904.53,4263.78 5053.15,4412.4 5053.15,4550.2 5105.81,4602.85 R216.2@5170.77,4602.85
VS4: R217.2 U1.9 U502.5 | length 3114.6
  Top Layer w15: R217.2 5004.77,4701.29 U1.9
  Top Layer w39.37: v2@3695.87,3243.11 3695.87,3201.77 3777.56,3120.08 3890.75,3120.08 U502.5@3890.75,3194.88 ; v2(4054.13,4288.39) 4092.52,4326.77 4682.55,4326.77 ; 4682.55,4326.25 4783.46,4427.17 4783.46,4547.24 4830.71,4594.49 R217.2
  Bottom Layer w39.37: v2(3694.88,3234.25) 3694.88,4062.99 3920.28,4288.39 v2(4054.13,4288.39)
pads on no net: P6.1 P6.2 P6.3 P6.4 U1.1@5275.89,4940.86
copper on no net:
  other v3: 1181.1,1673.23 6889.76,1673.23 1161.42,4704.72 6889.76,4704.72

## Polygon pours and split planes (outlines as drawn)
GND on Top Layer "GND_L01_P026" (solid, pour order 26): 4281.5,3848.43 4350.39,3848.43 4350.39,3963.58 6393.7,3963.58 6393.7,4200.79 7028.54,4200.79 7028.54,4566.93 6781.5,4566.93 6742.13,4606.3 6742.13,4838.58 6675.2,4838.58 6675.2,5278.54 1397.64,5278.54 1397.64,4838.58 1317.91,4838.58 1317.91,4593.5 1281.5,4557.09 1053.15,4557.09 1053.15,4192.91 2293.31,4192.91 2298.23,3015.75 4139.76,3015.75 4133.86,3848.43
GND on Top Layer "GND_L01_P000" (solid, pour order 0): 4362.2,2391.73 4362.2,2421.26 3622.05,2421.26 3622.05,2137.8 4133.86,2137.8 4133.86,1742.13 2903.54,1742.13 2903.54,1505.91 2644.99,1505.91 2644.99,2362.88 2641.73,2366.14 1899.61,2366.14 1899.61,3877.95 1692.91,3877.95 1692.91,3003.94 1070.87,3003.94 1070.87,1811.02 1289.37,1811.02 1328.74,1771.65 1328.74,1545.28 1417.32,1545.28 1417.32,1102.36 6673.23,1102.36 6673.23,1545.28 6742.13,1545.28 6742.13,1776.57 6786.42,1820.87 7017.72,1820.87 7017.72,2856.3 6151.57,2856.3 6151.57,1692.91 5501.97,1692.91 5501.97,3523.62 5157.48,3523.62 5157.48,2391.73
NetQ1_3 on Top Layer "NETQ1_3_L01_P004" (solid, pour order 4): 3543.31,2431.1 3543.31,2460.63 3582.68,2500 3877.95,2500 3877.95,2795.28 2559.06,2795.28 2559.06,2431.1
NetC206_1 on Top Layer "NETC206_1_L01_P023" (solid, pour order 23): 4259.84,3770.67 4259.84,3693.9 4433.07,3693.9 4433.07,3770.67
+10 on Top Layer "+10_L01_P022" (solid, pour order 22): 3721.46,4802.17 3181.1,4802.17 3181.1,4888.78 3179.13,4890.75 3721.46,4890.75
Vin on Top Layer "VIN_L01_P021" (solid, pour order 21): 2817.91,4868.11 2082.68,4868.11 2082.68,4233.27 2234.25,4233.27 2234.25,4803.15 2817.91,4803.15
Vin on Top Layer "VIN_L01_P018" (solid, pour order 18): 2456.69,4314.96 2456.69,4249.02 2455.71,4248.03 2234.25,4248.03 2234.25,4086.58 2082.68,4089.57 2082.68,4314.96
+12 on Top Layer "+12_L01_P019" (solid, pour order 19): 3469.49,4329.72 3469.49,4232.28 2933.07,4232.28 2933.07,4329.72
Vin on Top Layer "VIN_L01_P017" (solid, pour order 17): 1765.75,4048.23 1828.74,4048.23 1828.74,4338.09 1765.75,4338.09
Vout on Top Layer "VOUT_L01_P016" (solid, pour order 16): 6190.94,3582.68 6190.94,2913.39 7007.87,2913.39 7007.87,4035.43 6476.38,4035.43 6476.38,3582.68
NetC206_1 on Top Layer "NETC206_1_L01_P015" (solid, pour order 15): 4399.61,3326.77 4399.61,3877.95 5856.3,3877.95 5856.3,3582.68 6043.31,3582.68 6043.31,3267.72 6053.15,3257.87 6043.31,3257.87 6043.31,1742.13 5541.34,1742.13 5531.5,1751.97 5531.5,3543.31 5118.11,3543.31 5118.11,3326.77
L_out on Top Layer "L_OUT_L01_P014" (solid, pour order 14): 5059.06,2490.16 5059.06,3208.66 4399.61,3208.66 4399.61,2490.16
L_in on Top Layer "L_IN_L01_P010" (solid, pour order 10): 4074.8,2106.3 3513.78,2106.3 3513.78,2391.73 2903.54,2391.73 2903.54,2165.35 2844.49,2106.3 2844.49,1742.13 4074.8,1742.13
Vin on Top Layer "VIN_L01_P003" (solid, pour order 3): 1062.99,3051.18 1653.54,3051.18 1653.54,3917.32 1958.66,3917.32 1958.66,2440.94 2401.57,2440.94 2401.57,2795.28 2234.25,2795.28 2234.25,4133.86 1062.99,4133.86
L_in on Bottom Solder "NONET_L-01_P-001" (solid): 3517.99,1761.81 2903.54,1761.81 2903.54,2393.7 3516.28,2393.7
NetQ1_3 on Bottom Solder "NONET_L-01_P-001" (solid): 3533.46,2431.1 3533.46,2460.63 3572.83,2500 3877.95,2500 3877.95,2801.67 2854.33,2801.67 2854.33,2431.1
no net on Bottom Paste "NONET_L-01_P-001" (solid): 3543.31,2431.1 3612.2,2500 3868.11,2500 3868.11,2795.28 2913.39,2795.28 2913.39,2431.1
L_in on Bottom Paste "NONET_L-01_P-001" (solid): 3513.78,2391.73 3513.78,1761.81 2903.54,1761.81 2903.54,2391.73
NetQ1_3 on Bottom Layer "NETQ1_3_L02_P027" (solid, pour order 27): 3553.38,2429.13 3624.24,2500 3868.38,2500 3867.58,2796.26 3238.19,2796.26 3238.19,2429.13
L_in on Bottom Layer "L_IN_L02_P031" (solid, pour order 31): 3238.19,1761.81 3238.19,2106.3 2913.88,2106.3 2913.88,2395.66 3513.78,2395.66 3513.78,1761.81

## Silkscreen, mask and mechanical layers (free items; w line width, h text height)
Top Overlay:
  drawing of 314 lines, arcs and shapes, not listed
  text "GND" at 1654.21,5285.43 h60 r270
  text "MOSI" at 1752.63,5285.43 h60 r270
  text "NCS" at 1851.06,5285.43 h60 r270
  text "SCK" at 1959.33,5285.43 h60 r270
  text "MISO" at 2057.75,5285.43 h60 r270
  text "+3v3" at 2151.26,5281.5 h60 r270
  text "N.C." at 2156.18,4921.26 h60 r270
  text "HIN" at 1652.56,4918.31 h60 r270
  text "LIN" at 1760.83,4918.31 h60 r270
  text "N.C." at 1869.76,4918.31 h60 r270
  text "N.C." at 1978.03,4918.31 h60 r270
  text "N.C." at 2066.61,4918.31 h60 r270
  text "Documentation Link" at 1425.2,2019.68 h60
Mechanical 1:
  circle w10: c6889.76,4704.72 r59.06
  circle w10: c6889.76,1673.23 r62.25
  circle w10: c1181.1,1673.23 r59.87
  circle w10: c1161.42,4704.72 r53
  lines w3.94: 1377.95,5314.96 1377.95,4862.2 1023.62,4862.2 1023.62,1515.75 1377.95,1515.75 1377.95,1062.99 6692.91,1062.99 ; 1377.95,5314.96 1377.95,5314.96 ; 1377.95,5314.96 6692.91,5314.96 6692.91,4862.2 7047.24,4862.2 7047.24,1515.75 6692.91,1515.75 6692.91,1062.99 ; 6692.91,1062.99 6692.91,1062.99
  lines w15: 1023.62,1515.75 1377.95,1515.75 1377.95,1062.99 6692.91,1062.99 6692.91,1515.75 7047.24,1515.75 7047.24,4862.2 6692.91,4862.2 6692.91,5314.96 1377.95,5314.96 1377.95,4862.2 1023.62,4862.2 1023.62,1515.75
Mechanical 13:
  lines w10: 1258.86,4534.45 1259.84,4535.43 ; 1259.84,4535.43 1259.84,4535.43

## Text inside footprints (layer, text, board x,y; h text height)
U501: Top Overlay "*" at 2612.03,3047.76 h50 r180; Mechanical 13 "*" at 2558.28,3094.26 h50 r180
U502: Top Overlay "*" at 4066.41,3415.18 h50 r270; Mechanical 13 "*" at 4019.91,3361.43 h50 r270
U503: Top Overlay "*" at 6235.06,3808.59 h50 r180; Mechanical 13 "*" at 6181.31,3855.09 h50 r180